# Altium PCB 2m_DBoard_TX.PcbDoc (part 1 of 2) (continued)
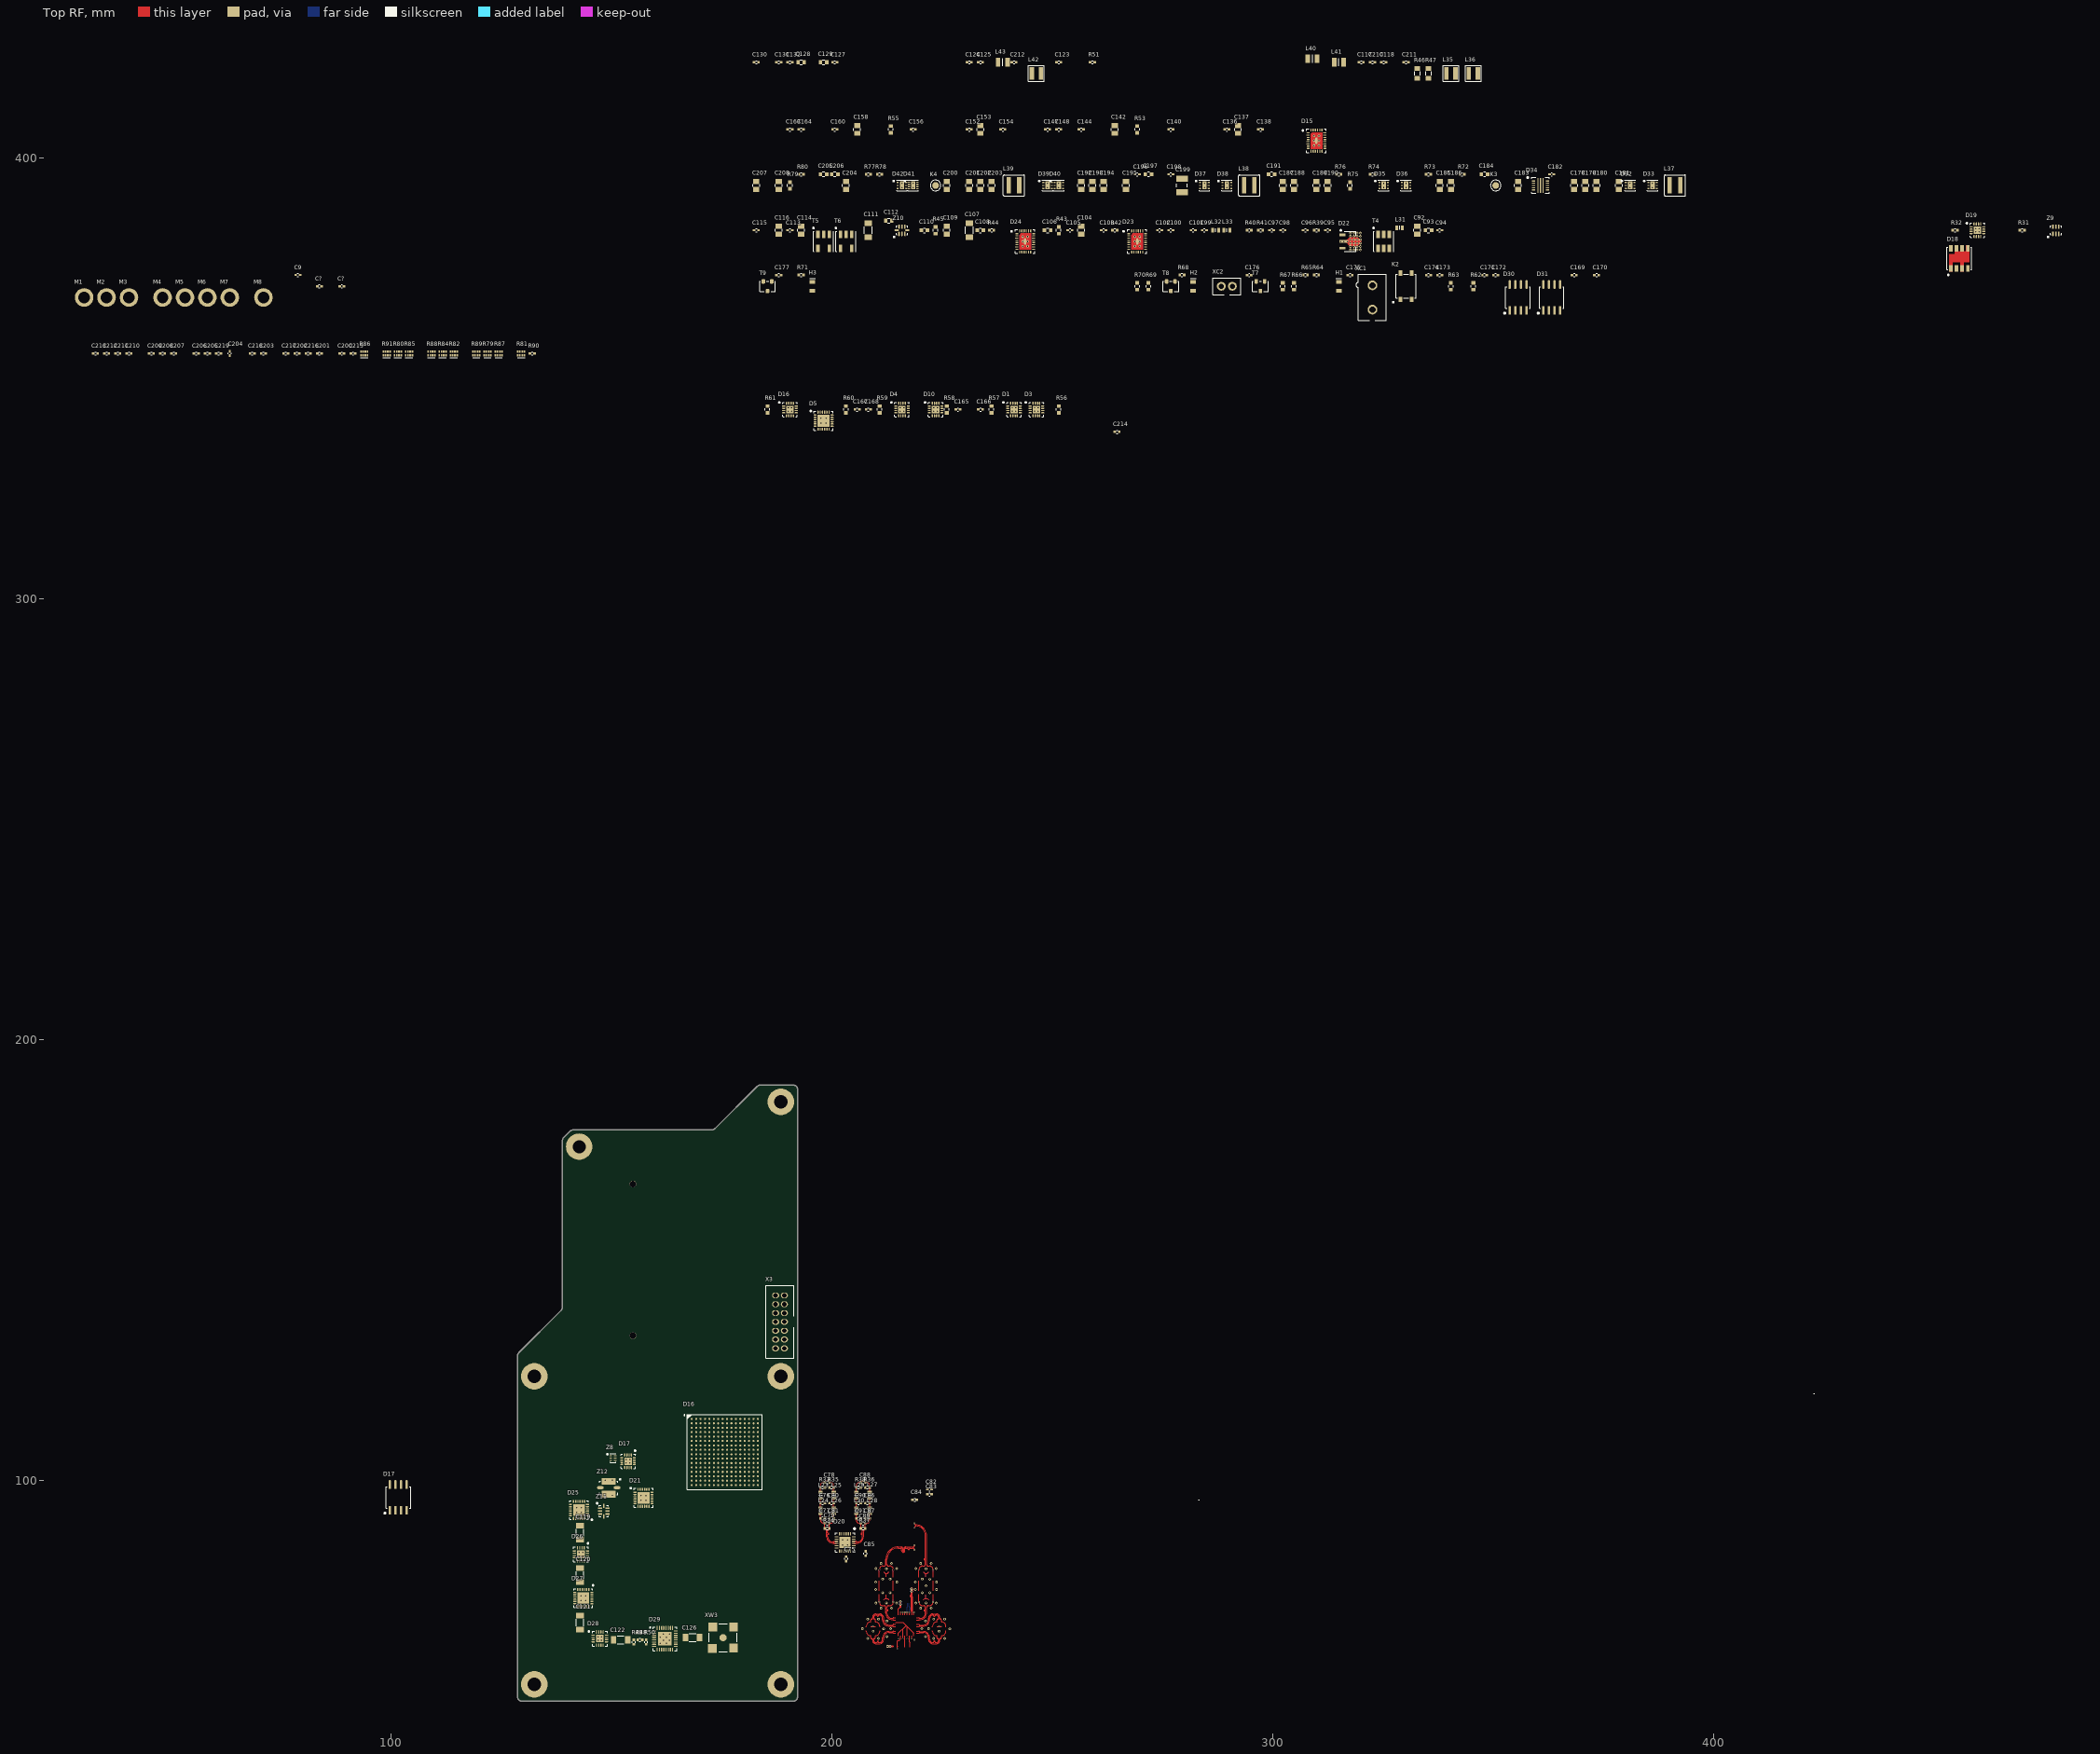
[diagram p0: Top RF view]
## Design rules (kind name [scope] priority, off if disabled: settings) (continued)
PolygonConnect PolygonConnect_2 [All vs IsNamedPolygon('NONET_L01_P018', '_6V_FLT_L03_P008', '_12V_TPS_L01_P004', '6V_L01_P032')] p2: connectstyle=Direct reliefconductorwidth=0.254 reliefentries=4 polygonreliefangle="90 Angle" airgapwidth=0.254
PolygonConnect PolygonConnect_3 [All vs IsNamedPolygon('_TPS_VOUT_L01_P002')] p3: connectstyle=Relief reliefconductorwidth=0.254 reliefentries=4 polygonreliefangle="90 Angle" airgapwidth=0.254
PolygonConnect Mech_Via [InPadClass('Mechanical') or InPadClass('MicroMechanical')] p4: connectstyle=Direct reliefconductorwidth=0.254 reliefentries=4 polygonreliefangle="90 Angle" airgapwidth=0.254
PolygonConnect Shield [InPolygonClass('Shield')] p5: connectstyle=NoConnect reliefconductorwidth=0.254 reliefentries=4 polygonreliefangle="90 Angle" airgapwidth=0.15
PolygonConnect 0805 [InPadClass('0805')] p6: connectstyle=Relief reliefconductorwidth=0.5 reliefentries=4 polygonreliefangle="90 Angle" airgapwidth=0.15
PolygonConnect Power [InPadClass('Power')] p7: connectstyle=Direct reliefconductorwidth=1 reliefentries=4 polygonreliefangle="90 Angle" airgapwidth=0.15
PolygonConnect VIA [IsVia] p8: connectstyle=Direct reliefconductorwidth=0.254 reliefentries=4 polygonreliefangle="90 Angle" airgapwidth=0.15
PolygonConnect "Direct Connection" [InPadClass('Direct Connect')] p9: connectstyle=Direct reliefconductorwidth=0.254 reliefentries=4 polygonreliefangle="90 Angle" airgapwidth=0.15
PolygonConnect [All] p10: connectstyle=Relief reliefconductorwidth=0.3 reliefentries=4 polygonreliefangle="90 Angle" airgapwidth=0.15
RoutingVias [All] p1: holewidth=0.2 width=0.4 viastyle="Through Hole" minholewidth=0.2 minwidth=0.4 maxholewidth=0.5 maxwidth=1
SilkToSilkClearance [All] p1: silktosilkclearance=0.01
SilkToSolderMaskClearance [IsPad] p1: minsilkscreentomaskgap=0.01 clearancetoexposedcopper=TRUE
SolderMaskExpansion SolderMaskExpansion_via [IsVia] p1: expansion=0.102 istentingtop=TRUE
SolderMaskExpansion [InPadClass('All Pads')] p2: expansion=0.01 istentingtop=FALSE
UnRoutedNet [All] p1: checkbadconnections=TRUE
Width "RF_50Ohm width" [InNetClass('RF_50Ohm')] p1: maxlimit=0.17 minlimit=0.12 preferedwidth=0.17 toplayer_minwidth=0.17 midlayer4_maxwidth=0.12 midlayer4_prefwidth=0.12 bottomlayer_minwidth=0.17 impedanceprofiledriven=TRUE impedanceprofileid={25015F0A-BAB1-46ED-8733-2AC948B5376F} minimp=50.000000 maximp=50.000000 favimp=50.000000
Width PowerLine [InNetClass('All Nets')] p2: maxlimit=3.5 minlimit=0.1 preferedwidth=0.254 minimp=50.000000 maximp=50.000000 favimp=50.000000
Width [All] p3: maxlimit=0.5 minlimit=0.1 preferedwidth=0.15 minimp=50.000000 maximp=50.000000 favimp=50.000000
21 further rules are at their usual default settings.

## Classes and differential pairs
component class DBoard_conn: C9 C? D17 M1 M2 M3 M4 M5 M6 M7 M8 X1
component class CPLD: C200 C201 C202 C203 C204 C205 C206 C207 C208 C209 C210 C211 C212 C213 C214 C215 C216 C217 C218 C219 D16 R79 R80 R81 R82 R84 R85 R86 R87 R88 R89 R90 R91 X3
differential pair TX_IOUTB: +TX_IOUTB_P -TX_IOUTB_N
differential pair _IOUTA_QMOD: +_IOUTA_QMOD_P -_IOUTA_QMOD_N
differential pair _IOUTB_QMOD: +_IOUTB_QMOD_P -_IOUTB_QMOD_N
differential pair LO2_TX: +LO2_TX_P -LO2_TX_N
differential pair REF_FREQ_TX: +REF_FREQ_TX_P -REF_FREQ_TX_N
differential pair _LO1_TX: +_LO1_TX_P -_LO1_TX_N

## Components (designator, comment, footprint, x,y, rotation, side; value= is the part's Value field where it differs from the comment)
C9 "CAP" C0402 78.95,373.4 r0 top value=10nF
C75 "CAP" C0402 203.25,82.275 r270 top value=100pF
C76 "CAP" C0402 197.925,94.95 r0 top value=22pF
C77 "CAP" C0402 197.925,91.45 r0 top value=3pF
C78 "CAP" C0402 198.925,99.6 r0 top value=3.6pF
C79 "CAP" C0402 198.925,90.35 r0 top value=6pF
C80 "CAP" C0402 199.925,94.95 r0 top value=22pF
C81 "CAP" C0402 199.925,91.45 r0 top value=3pF
C82 "CAP" C0402 222.15,98.025 r180 top value=0.1uF
C83 "CAP" C0402 222.15,96.91 r180 top value=100pF
C84 "CAP" C0402 218.775,95.65 r0 top value=0.1uF
C85 "CAP" C0402 207.65,83.475 r90 top value=100pF
C86 "CAP" C0402 208.075,94.95 r180 top value=22pF
C87 "CAP" C0402 208.075,91.431 r180 top value=3pF
C88 "CAP" C0402 207.075,99.6 r180 top value=3.6pF
C89 "CAP" C0402 207.075,90.316 r180 top value=6pF
C90 "CAP" C0402 206.075,94.95 r180 top value=22pF
C91 "CAP" C0402 206.075,91.431 r180 top value=3pF
C92 "CAP" C0805 332.74,383.54 r90 top value=1uF
C93 "CAP" C0603 335.28,383.54 r0 top value=1200pF
C94 "CAP" C0402 337.82,383.54 r0 top value=68pF
C95 "CAP" C0402 312.42,383.54 r0 top value=1000pF
C96 "CAP" C0402 307.34,383.54 r0 top value=1000pF
C97 "CAP" C0402 299.72,383.54 r0 top value=10nF
C98 "CAP" C0402 302.26,383.54 r0 top value=10pF
C99 "CAP" C0402 284.48,383.54 r0 top value=0.3pF
C100 "CAP" C0402 276.86,383.54 r0 top value=10nF
C101 "CAP" C0402 281.94,383.54 r0 top value=1000pF
C102 "CAP" C0402 274.32,383.54 r0 top value=1000pF
C103 "CAP" C0402 261.62,383.54 r0 top value=100pF
C104 "CAP" C0805 256.54,383.54 r90 top value=1uF
C105 "CAP" C0402 254,383.54 r0 top value=100pF
C106 "CAP" C0603 248.92,383.54 r0 top value=2.2uF
C107 "CAP" C1206 231.14,383.54 r90 top value=27nF
C108 "CAP" C0603 233.68,383.54 r0 top value=2200pF
C109 "CAP" C0805 226.06,383.54 r90 top value=1uF
C110 "CAP" C0603 220.98,383.54 r0 top value=2.2uF
C111 "CAP" C1206 208.28,383.54 r90 top value=27nF
C112 "CAP" C0603 212.9,385.733 r0 top value=2200pF
C113 "CAP" C0402 190.5,383.54 r0 top value=0.1uF
C114 "CAP" C0805 193.04,383.54 r90 top value=1uF
C115 "CAP" C0402 182.88,383.54 r0 top value=0.1uF
C116 "CAP" C0805 187.96,383.54 r90 top value=1uF
C117 "CAP" C0402 320.04,421.64 r0 top value=10nF
C118 "CAP" C0402 325.12,421.64 r0 top value=10nF
C119 "CAP" C1206 142.9,88.2 r90 top value=0.1uF
C120 "CAP" C1206 142.9,78.6 r90 top value=0.1uF
C121 "CAP" C1206 142.9,67.8 r90 top value=0.1uF
C122 "CAP" C1206 152.1,63.9 r180 top value=0.1uF
C123 "CAP" C0402 251.46,421.64 r0 top value=10nF
C124 "CAP" C0402 231.14,421.64 r0 top value=10nF
C125 "CAP" C0402 233.68,421.64 r0 top value=1000pF
C126 "CAP" C1206 168.4,64.4 r180 top value=0.1uF
C127 "CAP" C0402 200.66,421.64 r0 top value=1000pF
C128 "CAP" C0603 193.04,421.64 r0 top value=4.7uF
C129 "CAP" C0603 198.12,421.64 r0 top value=4.7uF
C130 "CAP" C0402 182.88,421.64 r0 top value=10nF
C131 "CAP" C0402 187.96,421.64 r0 top value=1000pF
C132 "CAP" C0402 190.5,421.64 r0 top value=10nF
C136 "CAP" C0402 289.56,406.4 r0 top value=10nF
C137 "CAP" C0805 292.1,406.4 r90 top value=1uF
C138 "CAP" C0402 297.18,406.4 r0 top value=10nF
C140 "CAP" C0402 276.86,406.4 r0 top value=10nF
C142 "CAP" C0805 264.16,406.4 r90 top value=1uF
C144 "CAP" C0402 256.54,406.4 r0 top value=0.1uF
C147 "CAP" C0402 248.92,406.4 r0 top value=0.1uF
C148 "CAP" C0402 251.46,406.4 r0 top value=0.1uF
C152 "CAP" C0402 231.14,406.4 r0 top value=10nF
C153 "CAP" C0805 233.68,406.4 r90 top value=1uF
C154 "CAP" C0402 238.76,406.4 r0 top value=10nF
C156 "CAP" C0402 218.44,406.4 r0 top value=10nF
C158 "CAP" C0805 205.74,406.4 r90 top value=1uF
C160 "CAP" C0402 200.66,406.4 r0 top value=0.1uF
C163 "CAP" C0402 190.5,406.4 r0 top value=0.1uF
C164 "CAP" C0402 193.04,406.4 r0 top value=0.1uF
C165 "CAP" C0402 228.6,342.9 r0 top value=10nF
C166 "CAP" C0402 233.68,342.9 r0 top value=10nF
C167 "CAP" C0402 205.74,342.9 r0 top value=10nF
C168 "CAP" C0402 208.28,342.9 r0 top value=10nF
C169 "CAP" C0402 368.3,373.38 r0 top value=10nF
C170 "CAP" C0402 373.38,373.38 r0 top value=10nF
C171 "CAP" C0402 347.98,373.38 r0 top value=10nF
C172 "CAP" C0402 350.52,373.38 r0 top value=10nF
C173 "CAP" C0402 337.82,373.38 r0 top value=10nF
C174 "CAP" C0402 335.28,373.38 r0 top value=10nF
C175 "CAP" C0402 317.5,373.38 r0 top value=10nF
C176 "CAP" C0402 294.64,373.38 r0 top value=10nF
C177 "CAP" C0402 187.96,373.38 r0 top value=10nF
C178 "CAP" C0805 368.3,393.7 r90 top value=1uF
C179 "CAP" C0805 370.84,393.7 r90 top value=1uF
C180 "CAP" C0805 373.38,393.7 r90 top value=1uF
C181 "CAP" C0805 378.46,393.7 r90 top value=1uF
C182 "CAP" C0402 363.22,396.24 r0 top value=0.1uF
C183 "CAP uF" C0805 355.6,393.7 r90 top value=22uF
C184 "CAP" C0603 347.98,396.24 r0 top value=4.7uF
C185 "CAP uF" C0805 337.82,393.7 r90 top value=10uF
C186 "CAP uF" C0805 340.36,393.7 r90 top value=22uF
C187 "CAP" C0805 302.26,393.7 r90 top value=1uF
C188 "CAP" C0805 304.8,393.7 r90 top value=1uF
C189 "CAP" C0805 309.88,393.7 r90 top value=1uF
C190 "CAP" C0805 312.42,393.7 r90 top value=1uF
C191 "CAP" C0603 299.72,396.24 r0 top value=2.2nF
C192 "CAP" C0805 256.54,393.7 r90 top value=1uF
C193 "CAP" C0805 259.08,393.7 r90 top value=1uF
C194 "CAP" C0805 261.62,393.7 r90 top value=1uF
C195 "CAP" C0805 266.7,393.7 r90 top value=1uF
C196 "CAP" C0402 269.24,396.24 r0 top value=0.1uF
C197 "CAP" C0603 271.78,396.24 r0 top value=220pF
C198 "CAP" C0402 276.86,396.24 r0 top value=0.1uF
C199 "CAP uF" C1210 279.4,393.7 r90 top value=47uF
C200 "CAP" C0402 88.9,355.6 r0 top value=0.1uF
C200 "CAP" C0805 226.06,393.7 r90 top value=1uF
C201 "CAP" C0402 83.82,355.6 r0 top value=0.1uF
C201 "CAP" C0805 231.14,393.7 r90 top value=1uF
C202 "CAP" C0402 78.74,355.6 r0 top value=0.1uF
C202 "CAP" C0805 233.68,393.7 r90 top value=1uF
C203 "CAP" C0402 71.12,355.6 r0 top value=0.1uF
C203 "CAP" C0805 236.22,393.7 r90 top value=1uF
C204 "CAP" C0402 63.5,355.6 r90 top value=0.1uF
C204 "CAP" C0805 203.2,393.7 r90 top value=1uF
C205 "CAP" C0402 58.42,355.6 r0 top value=0.1uF
C205 "CAP" C0603 198.12,396.24 r0 top value=4.7uF
C206 "CAP" C0402 55.88,355.6 r0 top value=0.1uF
C206 "CAP" C0603 200.66,396.24 r0 top value=2.2uF
C207 "CAP" C0402 50.8,355.6 r0 top value=0.1uF
C207 "CAP" C0805 182.88,393.7 r90 top value=1uF
C208 "CAP" C0402 48.26,355.6 r0 top value=0.1uF
C208 "CAP uF" C0805 187.96,393.7 r90 top value=10uF
C209 "CAP" C0402 45.72,355.6 r0 top value=0.1uF
C210 "CAP" C0402 40.64,355.6 r0 top value=0.1uF
C210 "CAP" C0402 322.58,421.64 r0 top value=1.5pF
C211 "CAP" C0402 38.1,355.6 r0 top value=0.1uF
C211 "CAP" C0402 330.2,421.64 r0 top value=1.5pF
C212 "CAP" C0402 35.56,355.6 r0 top value=0.1uF
C212 "CAP" C0402 241.3,421.64 r0 top value=1.5pF
C213 "CAP" C0402 33.02,355.6 r0 top value=0.1uF
C214 "CAP" C0402 264.66,337.82 r0 top value=0.1uF
C215 "CAP" C0402 91.44,355.6 r0 top value=1uF
C216 "CAP" C0402 81.28,355.6 r0 top value=0.1uF
C217 "CAP" C0402 76.2,355.6 r0 top value=0.1uF
C218 "CAP" C0402 68.58,355.6 r0 top value=0.1uF
C219 "CAP" C0402 60.96,355.6 r0 top value=0.1uF
C? "CAP" C0402 83.82,370.84 r0 top value=10nF
C? "CAP" C0402 88.9,370.84 r0 top value=10nF
D1 "PE42553" QFN-16 241.3,342.9 r0 top
D3 "PE42553" QFN-16 246.38,342.9 r0 top
D4 "PE42553" QFN-16 215.9,342.9 r0 top
D5 "PE42562" QFN-24 198.12,340.36 r0 top
D10 "PE42553" QFN-16 223.52,342.9 r0 top
D15 "LTC6946" QFN-28 309.88,403.86 r0 top
D16 "XC2C256-7FTG256C" FTG256 175.74,106.5 r0 top
D16 "PE42553" QFN-16 190.5,342.9 r0 top
D17 "24LC024" SOIC_SN8 101.7,96.2 r90 top
D17 "PE42553" QFN-16 153.8,104.4 r270 top
D18 "SIM-43MH+" SIM-43MH+ 455.63,377.169 r0 top
D19 "PE42553" QFN-16 459.74,383.54 r0 top
D20 "ADL5375" LFCSP-24 203,86 r270 top
D21 "PE42562" QFN-24 157.3,96.1 r0 top
D22 "ADL5610" ADL5610 317.5,381 r0 top
D23 "LTC6946" QFN-28 269.24,381 r0 top
D24 "LTC6946" QFN-28 243.84,381 r0 top
D25 "PE42562" QFN-24 142.675,93.35 r180 top
D26 "HMC311LP3" "QFN-16 v2" 143.1,83.3 r270 top
D27 "PE43711" QFN-24 143.65,73.375 r270 top
D28 "HMC311LP3" "QFN-16 v2" 147.4,64.2 r0 top
D29 "HMC637BPM5E" LFCSP-32 162.15,64.15 r0 top
D30 "24LC024" SOIC_SN8 355.6,368.3 r90 top
D31 "24LC024" SOIC_SN8 363.22,368.3 r90 top
D32 "LP5912" WSON-6 381,393.7 r0 top
D33 "LP5912" WSON-6 386.08,393.7 r0 top
D34 "TPS611781" TPS611781x 360.68,393.7 r0 top
D35 "LP5912" WSON-6 325.12,393.7 r0 top
D36 "LP5912" WSON-6 330.2,393.7 r0 top
D37 "LP5912" WSON-6 284.48,393.7 r0 top
D38 "LP5912" WSON-6 289.56,393.7 r0 top
D39 "LP5912" WSON-6 248.92,393.7 r0 top
D40 "LP5912" WSON-6 251.46,393.7 r0 top
D41 "LM27761" WSON-8 218.44,393.7 r0 top
D42 "LP5912" WSON-6 215.9,393.7 r0 top
H1 "LO_LOCK" LED 314.96,370.84 r0 top
H2 "RX" LED 281.94,370.84 r0 top
H3 "TX" LED 195.58,370.84 r0 top
K2 "G3VM-61GR1" G3VM-61 330.2,370.84 r0 top
K3 "12V" "Control Point" 350.52,393.7 r0 top
K4 "-3.4V" "Control Point" 223.52,393.7 r0 top
L23 "Inductor RF" L0603_HP 197.425,96.7 r270 top value=33nH
L24 "Inductor RF" L0603_HP 197.425,93.2 r270 top value=33nH
L25 "Inductor RF" L0603_HP 200.425,96.7 r270 top value=33nH
L26 "Inductor RF" L0603_HP 200.425,93.2 r270 top value=33nH
L27 "Inductor RF" L0603_HP 208.575,96.7 r270 top value=33nH
L28 "Inductor RF" L0603_HP 208.575,93.188 r270 top value=33nH
L29 "Inductor RF" L0603_HP 205.575,96.7 r270 top value=33nH
L30 "Inductor RF" L0603_HP 205.575,93.188 r270 top value=33nH
L31 "Inductor RF" L0603_HP 328.715,384.1 r0 top value=43nH
L32 "Inductor RF" L0603_HP 287.02,383.54 r0 top value=68nH
L33 "Inductor RF" L0603_HP 289.56,383.54 r0 top value=68nH
L35 "Inductor" XFL3012 340.36,419.1 r0 top value=6.8uH
L36 "Inductor" XFL3012 345.44,419.1 r0 top value=6.8uH
L37 "Inductor PWR" XAL4030 391.16,393.7 r0 top value=4.7uH
L38 "Inductor PWR" XAL4020 294.64,393.7 r0 top value=2.2uH
L39 "Inductor PWR" XAL4020 241.3,393.7 r0 top value=2.2uH
L40 "Inductor RF" L0805_HP 308.975,422.425 r0 top value=6.2nH
L41 "Inductor RF" L0805_HP 314.96,421.64 r0 top value=6.2nH
L42 "Inductor" XFL3012 246.38,419.1 r0 top value=6.8uH
L43 "Inductor RF" L0805_HP 238.76,421.64 r0 top value=6.2nH
M1 "Via" Mechanical_Via_2.6x4.2 30.48,368.3 r0 top
M2 "Via" Mechanical_Via_2.6x4.2 35.56,368.3 r0 top
M3 "Via" Mechanical_Via_2.6x4.2 40.64,368.3 r0 top
M4 "Via" Mechanical_Via_2.6x4.2 48.26,368.3 r0 top
M5 "Via" Mechanical_Via_2.6x4.2 53.34,368.3 r0 top
M6 "Via" Mechanical_Via_2.6x4.2 58.42,368.3 r0 top
M7 "Via" Mechanical_Via_2.6x4.2 63.5,368.3 r0 top
M8 "Via" Mechanical_Via_2.6x4.2 71.12,368.3 r0 top
R31 "RES" R0402 469.9,383.54 r0 top value=49.9
R32 "RES" R0402 454.66,383.54 r0 top value=49.9
R33 "RES" R0402 197.925,98.5 r0 top value=49.9
R34 "RES" R0402 198.925,89.2 r0 top value=140
R35 "RES" R0402 199.925,98.5 r0 top value=49.9
R36 "RES" R0402 208.075,98.5 r180 top value=49.9
R37 "RES" R0402 207.075,89.2 r180 top value=140
R38 "RES" R0402 206.075,98.5 r180 top value=49.9
R39 "RES" R0402 309.88,383.54 r0 top value=11.8
R40 "RES" R0402 294.64,383.54 r0 top value=432
R41 "RES" R0402 297.18,383.54 r0 top value=432
R42 "RES" R0402 264.16,383.54 r0 top value=49.9
R43 "RES" R0603 251.46,383.54 r90 top value=332
R44 "RES" R0402 236.22,383.54 r0 top value=49.9
R45 "RES" R0603 223.52,383.54 r90 top value=332
R46 "RES" R0805 332.74,419.1 r90 top value=18.7
R47 "RES" R0805 335.28,419.1 r90 top value=18.7
R48 "RES" R0402 156.5,63.9 r180 top value=11.8
R49 "RES" R0402 155.1,63.4 r270 top value=432
R50 "RES" R0402 157.9,63.4 r270 top value=432
R51 "RES" R0402 259.08,421.64 r0 top value=1k
R53 "RES" R0603 269.24,406.4 r90 top value=15
R55 "RES" R0603 213.36,406.4 r90 top value=15
R56 "RES" R0603 251.46,342.9 r90 top value=none
R57 "RES" R0603 236.22,342.9 r90 top value=0
R58 "RES" R0603 226.06,342.9 r90 top value=none
R59 "RES" R0603 210.82,342.9 r90 top value=0
R60 "RES" R0603 203.2,342.9 r90 top value=none
R61 "RES" R0603 185.42,342.9 r90 top value=0
R62 "RES" R0603 345.44,370.84 r90 top value=none
R63 "RES" R0603 340.36,370.84 r90 top value=0
R64 "RES" R0402 309.88,373.38 r0 top value=180
R65 "RES" R0402 307.34,373.38 r0 top value=68
R66 "RES" R0603 304.8,370.84 r90 top value=none
R67 "RES" R0603 302.26,370.84 r90 top value=0
R68 "RES" R0402 279.4,373.38 r0 top value=68
R69 "RES" R0603 271.78,370.84 r90 top value=none
R70 "RES" R0603 269.24,370.84 r90 top value=0
R71 "RES" R0402 193.04,373.38 r0 top value=68
R72 "RES" R0402 342.9,396.24 r0 top value=732k
R73 "RES" R0402 335.28,396.24 r0 top value=71.5k
R74 "RES" R0402 322.58,396.24 r0 top value=681k
R75 "RES" R0603 317.5,393.7 r90 top value=23.7k
R76 "RES" R0402 314.96,396.24 r0 top value=732k
R77 "RES" R0402 208.28,396.24 r0 top value=1.5k
R78 "RES" R0402 210.82,396.24 r0 top value=887k
R79 "RES 4x0402" EXN8V 121.92,355.6 r0 top value=33
R79 "RES" R0603 190.5,393.7 r90 top value=none
R80 "RES 4x0402" EXN8V 101.6,355.6 r0 top value=33
R80 "RES" R0402 193.04,396.24 r0 top value=499k
R81 "RES 4x0402" EXN8V 129.54,355.6 r0 top value=33
R82 "RES 4x0402" EXN8V 114.3,355.6 r0 top value=33
R84 "RES 4x0402" EXN8V 111.76,355.6 r0 top value=33
R85 "RES 4x0402" EXN8V 104.14,355.6 r0 top value=33
R86 "RES 4x0402" EXN8V 93.98,355.6 r0 top value=33
R87 "RES 4x0402" EXN8V 124.46,355.6 r0 top value=33
R88 "RES 4x0402" EXN8V 109.22,355.6 r0 top value=33
R89 "RES 4x0402" EXN8V 119.38,355.6 r0 top value=33
R90 "RES" R0402 132.08,355.6 r0 top value=33
R91 "RES 4x0402" EXN8V 99.06,355.6 r0 top value=33
T4 "TCM2-452X-2+" DB1627 325.12,381 r0 top
T5 "TC2-1TX+" AT1521 198.12,381 r0 top
T6 "TC2-1TX+" AT1521 203.2,381 r0 top
T7 "2N7002" SOT-23 297.18,370.84 r0 top
T8 "2N7002" SOT-23 276.86,370.84 r0 top
T9 "2N7002" SOT-23 185.42,370.84 r0 top
X1 "DBoard" DBOARD-HALF-TX-MB 154.902,150.33 r180 bottom locked
X3 "JTAG" "JTAG Mail 2mm" 188.24,136 r90 top
XC1 "Mini-Fit Jr. Vertical Header" "Mini-Fit Jr. Vertical Header" 322.58,368.3 r0 top
XC2 "Nano-Fit Vertical Header" "Nano-Fit Vertical Header" 289.56,370.84 r0 top
XW3 "TX" "MOLEX SD-73251-135 (Gold)" 175.34,64.4 r180 top
Z8 "LDPW-162-242+" JC0603C 150.385,105.11 r270 top
Z9 "LDPG-212-322+" GE0805C-10 477.52,383.54 r0 top
Z10 "LFCG-92+" GE0805C-2 215.9,383.54 r0 top
Z11 "LFCG-92+" GE0805C-2 148.3,93.1 r270 top
Z12 "BFCV-4085+" JV1210C 149.4,98.4 r180 top

## Footprints (in the part's own frame and the unit in brackets; to place one, negate y for a bottom-side part, rotate by r counter-clockwise, add the part's x,y. Pads: shape width x height; smd on the part's side, far side on the other; paste and mask are expansions set on the pad)
ADL5610 [mm] "SOT89, 3-Leads, Body 4,49x2,44mm, Pitch 1,50mm, Lead Span 4,0mm, IPC Medium Density"
  rect 1.4x0.6 smd: 1(-1.75,1.5) 3(-1.75,-1.5)
  rect 1.7x0.6 smd: 2(-1.6,0)
  Top RF region: -0.75,0.3 -0.1,0.95 1.8,0.95 2.45,0.3 2.45,-0.3 1.8,-0.95 -0.1,-0.95 -0.75,-0.3
  silkscreen extent -2.23,-2.3 1.33,2.65, body extent -2.22,-2.25 2.03,2.25, height 1.54
AT1521 [mm] "RF Transformer"
  rect 0.76x1.65 smd: 1(-1.27,1.59) 2(0,1.59) 3(1.27,1.59) 4(1.27,-1.59) 6(-1.27,-1.59)
  silkscreen extent -2.41,-2.29 2.29,3.17, body extent -1.9,-1.92 1.9,1.92, height 2.79
C0402 [mm] "Chip Capacitor, Body 1.0x0.5mm, IPC High Density"
  rect 0.6x0.5 smd: 1(-0.5,0) 2(0.5,0)
  silkscreen extent -0.15,-0.36 0.15,0.36, body extent -0.5,-0.25 0.5,0.25, height 0.49
C0603 [mm] "Chip Capacitor, Body 1.6x0.8mm, IPC High Density"
  rect 0.8x0.9 smd: 1(-0.7,0) 2(0.7,0)
  silkscreen extent -0.23,-0.53 0.23,0.53, body extent -0.8,-0.4 0.8,0.4, height 0.79
C0805 [mm] "Chip Capacitor, Body 2.0x1.3mm, IPC High Density"
  rect 1.1x1.4 smd: 1(-0.889,0) 2(0.889,0)
  silkscreen extent -0.28,-0.79 0.28,0.79, body extent -1,-0.62 1,0.62, height 0.59
C1206 [mm]
  rect 1.25x1.7 smd: 1(-1.6,0) 2(1.6,0)
  silkscreen extent -0.76,-0.89 0.76,0.89, body extent -1.6,-0.8 1.6,0.8, height 0.77
C1210 [mm] "Chip Capacitor, Body 3.2x2.5mm, IPC High Density"
  rect 1.4x2.6 smd: 1(-1.524,0) 2(1.524,0)
  silkscreen extent -0.4,-1.2 0.4,1.2, body extent -1.6,-1.25 1.6,1.25, height 0.77
"Control Point" [mm]
  round 1.5 smd: 1(0,0)
  silkscreen extent -1.2,-1.2 1.2,1.2
DB1627 [mm] "RF Transformer"
  rect 0.76x1.65 smd: 1(-1.27,1.59) 2(0,1.59) 3(1.27,1.59) 4(1.27,-1.59) 5(0,-1.59) 6(-1.27,-1.59)
  silkscreen extent -2.41,-2.29 2.29,3.17, body extent -1.9,-1.92 1.9,1.92, height 2.79
DBOARD-HALF-TX-MB [mil]
  round 236.22 hole 118.11: 0(-1320,-3800) 0(-1320,-1050) 0(-1320,1400) 0(480,1000) 0(880,-3800) 0(880,-1050)
  round 59.06 hole 59.06 unplated: 0(0,-686.85) 0(0,667.48)
  oval 92x24 smd: 1(78.74,600.55) 2(-78.74,600.55) 3(78.74,561.18) 4(-78.74,561.18) 5(78.74,521.81) 6(-78.74,521.81) 7(78.74,482.44) 8(-78.74,482.44) 9(78.74,443.07) 10(-78.74,443.07) 11(78.74,403.7) 12(-78.74,403.7) 13(78.74,364.33) 14(-78.74,364.33) 15(78.74,324.96) 16(-78.74,324.96) 17(78.74,285.59) 18(-78.74,285.59) 19(78.74,246.22) 20(-78.74,246.22) 21(78.74,206.85) 22(-78.74,206.85) 23(78.74,167.48) 24(-78.74,167.48) 25(78.74,128.11) 26(-78.74,128.11) 27(78.74,88.74) 28(-78.74,88.74) 29(78.74,49.37) 30(-78.74,49.37) 31(78.74,10) 32(-78.74,10) 33(78.74,-29.37) 34(-78.74,-29.37) 35(78.74,-68.74) 36(-78.74,-68.74) 37(78.74,-108.11) 38(-78.74,-108.11) 39(78.74,-147.48) 40(-78.74,-147.48) 41(78.74,-186.85) 42(-78.74,-186.85) 43(78.74,-226.22) 44(-78.74,-226.22) 45(78.74,-265.59) 46(-78.74,-265.59) 47(78.74,-304.96) 48(-78.74,-304.96) 49(78.74,-344.33) 50(-78.74,-344.33) 51(78.74,-383.7) 52(-78.74,-383.7) 53(78.74,-423.07) 54(-78.74,-423.07) 55(78.74,-462.44) 56(-78.74,-462.44) 57(78.74,-501.81) 58(-78.74,-501.81) 59(78.74,-541.18) 60(-78.74,-541.18) 61(78.74,-580.55) 62(-78.74,-580.55) 63(78.74,-619.92) 64(-78.74,-619.92)
  silkscreen extent -126,-726 126,707, body extent -2621,-1204 4156,3521, height 534
EXN8V [mm] "Resistor Array 4x0402 0804"
  rect 0.375x0.55 smd: 1(-0.75,-0.45) 2(-0.25,-0.45) 3(0.25,-0.45) 4(0.75,-0.45) 5(0.75,0.45) 6(0.25,0.45) 7(-0.25,0.45) 8(-0.75,0.45)
  silkscreen extent -0.84,-0.91 0.84,-0.91, body extent -1,-0.5 1,0.5, height 0.4
FTG256 [mm] "BGA, 256-Leads, Body 17x17mm, Pitch 1mm"
  round 0.45 smd: A1(-7.5,7.5) A2(-6.5,7.5) A3(-5.5,7.5) A4(-4.5,7.5) A5(-3.5,7.5) A6(-2.5,7.5) A7(-1.5,7.5) A8(-0.5,7.5) A9(0.5,7.5) A10(1.5,7.5) A11(2.5,7.5) A12(3.5,7.5) A13(4.5,7.5) A14(5.5,7.5) A15(6.5,7.5) A16(7.5,7.5) B1(-7.5,6.5) B2(-6.5,6.5) B3(-5.5,6.5) B4(-4.5,6.5) B5(-3.5,6.5) B6(-2.5,6.5) B7(-1.5,6.5) B8(-0.5,6.5) B9(0.5,6.5) B10(1.5,6.5) B11(2.5,6.5) B12(3.5,6.5) B13(4.5,6.5) B14(5.5,6.5) B15(6.5,6.5) B16(7.5,6.5) C1(-7.5,5.5) C2(-6.5,5.5) C3(-5.5,5.5) C4(-4.5,5.5) C5(-3.5,5.5) C6(-2.5,5.5) C7(-1.5,5.5) C8(-0.5,5.5) C9(0.5,5.5) C10(1.5,5.5) C11(2.5,5.5) C12(3.5,5.5) C13(4.5,5.5) C14(5.5,5.5) C15(6.5,5.5) C16(7.5,5.5) D1(-7.5,4.5) D2(-6.5,4.5) D3(-5.5,4.5) D4(-4.5,4.5) D5(-3.5,4.5) D6(-2.5,4.5) D7(-1.5,4.5) D8(-0.5,4.5) D9(0.5,4.5) D10(1.5,4.5) D11(2.5,4.5) D12(3.5,4.5) D13(4.5,4.5) D14(5.5,4.5) D15(6.5,4.5) D16(7.5,4.5) E1(-7.5,3.5) E2(-6.5,3.5) E3(-5.5,3.5) E4(-4.5,3.5) E5(-3.5,3.5) E6(-2.5,3.5) E7(-1.5,3.5) E8(-0.5,3.5) E9(0.5,3.5) E10(1.5,3.5) E11(2.5,3.5) E12(3.5,3.5) E13(4.5,3.5) E14(5.5,3.5) E15(6.5,3.5) E16(7.5,3.5) F1(-7.5,2.5) F2(-6.5,2.5) F3(-5.5,2.5) F4(-4.5,2.5) F5(-3.5,2.5) F6(-2.5,2.5) F7(-1.5,2.5) F8(-0.5,2.5) F9(0.5,2.5) F10(1.5,2.5) F11(2.5,2.5) F12(3.5,2.5) F13(4.5,2.5) F14(5.5,2.5) F15(6.5,2.5) F16(7.5,2.5) G1(-7.5,1.5) G2(-6.5,1.5) G3(-5.5,1.5) G4(-4.5,1.5) G5(-3.5,1.5) G6(-2.5,1.5) G7(-1.5,1.5) G8(-0.5,1.5) G9(0.5,1.5) G10(1.5,1.5) G11(2.5,1.5) G12(3.5,1.5) G13(4.5,1.5) G14(5.5,1.5) G15(6.5,1.5) G16(7.5,1.5) H1(-7.5,0.5) H2(-6.5,0.5) H3(-5.5,0.5) H4(-4.5,0.5) H5(-3.5,0.5) H6(-2.5,0.5) H7(-1.5,0.5) H8(-0.5,0.5) H9(0.5,0.5) H10(1.5,0.5) H11(2.5,0.5) H12(3.5,0.5) H13(4.5,0.5) H14(5.5,0.5) H15(6.5,0.5) H16(7.5,0.5) J1(-7.5,-0.5) J2(-6.5,-0.5) J3(-5.5,-0.5) J4(-4.5,-0.5) J5(-3.5,-0.5) J6(-2.5,-0.5) J7(-1.5,-0.5) J8(-0.5,-0.5) J9(0.5,-0.5) J10(1.5,-0.5) J11(2.5,-0.5) J12(3.5,-0.5) J13(4.5,-0.5) J14(5.5,-0.5) J15(6.5,-0.5) J16(7.5,-0.5) K1(-7.5,-1.5) K2(-6.5,-1.5) K3(-5.5,-1.5) K4(-4.5,-1.5) K5(-3.5,-1.5) K6(-2.5,-1.5) K7(-1.5,-1.5) K8(-0.5,-1.5) K9(0.5,-1.5) K10(1.5,-1.5) K11(2.5,-1.5) K12(3.5,-1.5) K13(4.5,-1.5) K14(5.5,-1.5) K15(6.5,-1.5) K16(7.5,-1.5) L1(-7.5,-2.5) L2(-6.5,-2.5) L3(-5.5,-2.5) L4(-4.5,-2.5) L5(-3.5,-2.5) L6(-2.5,-2.5) L7(-1.5,-2.5) L8(-0.5,-2.5) L9(0.5,-2.5) L10(1.5,-2.5) L11(2.5,-2.5) L12(3.5,-2.5) L13(4.5,-2.5) L14(5.5,-2.5) L15(6.5,-2.5) L16(7.5,-2.5) M1(-7.5,-3.5) M2(-6.5,-3.5) M3(-5.5,-3.5) M4(-4.5,-3.5) M5(-3.5,-3.5) M6(-2.5,-3.5) M7(-1.5,-3.5) M8(-0.5,-3.5) M9(0.5,-3.5) M10(1.5,-3.5) M11(2.5,-3.5) M12(3.5,-3.5) M13(4.5,-3.5) M14(5.5,-3.5) M15(6.5,-3.5) M16(7.5,-3.5) N1(-7.5,-4.5) N2(-6.5,-4.5) N3(-5.5,-4.5) N4(-4.5,-4.5) N5(-3.5,-4.5) N6(-2.5,-4.5) N7(-1.5,-4.5) N8(-0.5,-4.5) N9(0.5,-4.5) N10(1.5,-4.5) N11(2.5,-4.5) N12(3.5,-4.5) N13(4.5,-4.5) N14(5.5,-4.5) N15(6.5,-4.5) N16(7.5,-4.5) P1(-7.5,-5.5) P2(-6.5,-5.5) P3(-5.5,-5.5) P4(-4.5,-5.5) P5(-3.5,-5.5) P6(-2.5,-5.5) P7(-1.5,-5.5) P8(-0.5,-5.5) P9(0.5,-5.5) P10(1.5,-5.5) P11(2.5,-5.5) P12(3.5,-5.5) P13(4.5,-5.5) P14(5.5,-5.5) P15(6.5,-5.5) P16(7.5,-5.5) R1(-7.5,-6.5) R2(-6.5,-6.5) R3(-5.5,-6.5) R4(-4.5,-6.5) R5(-3.5,-6.5) R6(-2.5,-6.5) R7(-1.5,-6.5) R8(-0.5,-6.5) R9(0.5,-6.5) R10(1.5,-6.5) R11(2.5,-6.5) R12(3.5,-6.5) R13(4.5,-6.5) R14(5.5,-6.5) R15(6.5,-6.5) R16(7.5,-6.5) T1(-7.5,-7.5) T2(-6.5,-7.5) T3(-5.5,-7.5) T4(-4.5,-7.5) T5(-3.5,-7.5) T6(-2.5,-7.5) T7(-1.5,-7.5) T8(-0.5,-7.5) T9(0.5,-7.5) T10(1.5,-7.5) T11(2.5,-7.5) T12(3.5,-7.5) T13(4.5,-7.5) T14(5.5,-7.5) T15(6.5,-7.5) T16(7.5,-7.5)
  silkscreen extent -9.27,-8.5 8.5,8.5, body extent -8.5,-8.5 8.5,8.5, height 1.7
G3VM-61 [mm] "MOS FET Relays"
  rect 0.8x1.2 smd: 1(-1.27,-3) 2(1.27,-3) 3(1.27,3) 4(-1.27,3)
  silkscreen extent -3.03,-3.73 2.3,2.7, body extent -1.95,-3.5 1.95,3.5, height 2.05
GE0805C-2 [mm] "Low Pass Filter"
  oval 0.36x0.99 smd: 0(0,-0.825) 0(0,0.825) GND(-0.66,-0.825) GND(-0.66,0.825) GND(0.66,-0.825) GND(0.66,0.825)
  oval 0.99x0.36 smd: IN(-1.205,0) OUT(1.205,0)
  silkscreen extent -1.9,-1.65 1.27,1.04, body extent -1,-0.62 1,0.62, height 0.8
GE0805C-10 [mm] "Diplexer"
  rrect50% 0.36x0.99 smd: 1(-0.66,-0.825) 2(0,-0.825) 3(0.66,-0.825) 4(0.66,0.825) 5(0,0.825) 6(-0.66,0.825)
  silkscreen extent -1.9,-1.65 1.27,1.04, body extent -1,-0.62 1,0.62, height 0.8
JC0603C [mm] "Diplexer"
  rrect50% 0.25x0.56 smd: 1(-0.51,-0.485) 2(0,-0.485) 3(0.51,-0.485) 4(0.51,0.485) 5(0,0.485) 6(-0.51,0.485)
  silkscreen extent -1.02,-1.4 1.02,0.64, body extent -0.8,-0.4 0.8,0.41, height 0.62
"JTAG Mail 2mm" [mm] "2.00mm Pitch, Milli-Grid PCB Header, Dual Row, Vertical, Through Hole, Shrouded, 14  Circuits"
  oval 1.3x1.6 hole 1: 1(-6,-1) 2(-6,1) 3(-4,-1) 4(-4,1) 5(-2,-1) 6(-2,1) 7(0,-1) 8(0,1) 9(2,-1) 10(2,1) 11(4,-1) 12(4,1) 13(6,-1) 14(6,1)
  silkscreen extent -8.25,-3.18 8.25,3.18, body extent -8.32,-3.15 8.33,3.15, height 6.45
JV1210C [mm] "Bandpass Filter"
  rect 3.25x1.5 smd: GND(0,1.475) GND(0,-1.475)
  oval 1.5x0.7 smd: IN(-1.9,0) OUT(1.9,0)
  silkscreen extent -2.73,-2.03 2.03,1.54, body extent -1.6,-1.25 1.6,1.25, height 1.3
L0603_HP [mm]
  rect 0.64x1.02 smd: 1(-0.65,0) 2(0.65,0)
  silkscreen extent 0,-0.41 0,0.41, body extent -0.88,-0.54 0.87,0.55, height 0.93
L0805_HP [mm]
  rect 1.02x1.98 smd: 1(-1.07,0) 2(1.07,0)
  silkscreen extent 0,-0.89 0,0.89, body extent -1.14,-0.86 1.14,0.86, height 1.51
LED [mm] "2012"
  rect 1.3x0.8 smd: 1(0,1) 2(0,-1)
  silkscreen extent -0.64,1.78 0.64,1.78, body extent -0.62,-1 0.62,1, height 0.4
LFCSP-24 [mm] "QFN, 24-Leads, Body 4,00x4,00mm, Pitch 0,50mm, Thermal Pad 2,50x2,50mm, IPC Medium Density"
  oval 0.8x0.25 smd: 1(-1.95,1.25) 2(-1.95,0.75) 3(-1.95,0.25) 4(-1.95,-0.25) 5(-1.95,-0.75) 6(-1.95,-1.25) 13(1.95,-1.25) 14(1.95,-0.75) 15(1.95,-0.25) 16(1.95,0.25) 17(1.95,0.75) 18(1.95,1.25)
  oval 0.25x0.8 smd: 7(-1.25,-1.95) 8(-0.75,-1.95) 9(-0.25,-1.95) 10(0.25,-1.95) 11(0.75,-1.95) 12(1.25,-1.95) 19(1.25,1.95) 20(0.75,1.95) 21(0.25,1.95) 22(-0.25,1.95) 23(-0.75,1.95) 24(-1.25,1.95)
  rect 2.5x2.5 all layers, no hole: 25(0,0)
  silkscreen extent -3.3,-2.2 2.2,2.3, body extent -1.99,-2.01 2.01,1.99, height 0.83
LFCSP-32 [mm] "LFCSP, 32-Leads, Body 5,00x5,00mm, Pitch 0,50mm"
  rect 3.1x3.1 all layers, no hole: 0(0,0)
  oval 0.9x0.25 smd: 1(-2.45,1.75) 2(-2.45,1.25) 3(-2.45,0.75) 4(-2.45,0.25) 5(-2.45,-0.25) 6(-2.45,-0.75) 7(-2.45,-1.25) 8(-2.45,-1.75) 17(2.45,-1.75) 18(2.45,-1.25) 19(2.45,-0.75) 20(2.45,-0.25) 21(2.45,0.25) 22(2.45,0.75) 23(2.45,1.25) 24(2.45,1.75)
  oval 0.25x0.9 smd: 9(-1.75,-2.45) 10(-1.25,-2.45) 11(-0.75,-2.45) 12(-0.25,-2.45) 13(0.25,-2.45) 14(0.75,-2.45) 15(1.25,-2.45) 16(1.75,-2.45) 25(1.75,2.45) 26(1.25,2.45) 27(0.75,2.45) 28(0.25,2.45) 29(-0.25,2.45) 30(-0.75,2.45) 31(-1.25,2.45) 32(-1.75,2.45)
  silkscreen extent -3.47,-2.7 2.7,2.7
Mechanical_Via_2.6x4.2 [mm] "Mechanical_Via"
  round 4.2 hole 2.6: 0(0,0)
"Mini-Fit Jr. Vertical Header" [mm] "4.20mm Pitch, Dual Row"
  round 2.2 hole 1.4: 1(0,2.75) 2(0,-2.75)
  silkscreen extent -3.75,-5.15 3.17,5.25, body extent -3.1,-5.95 3.1,5.05, height 12.88
"MOLEX SD-73251-135 (Gold)" [mm]
  rect 2x2 smd: G(-2.375,2.375) G(-2.375,-2.375) G(2.375,-2.375) G(2.475,2.475)
  round 1.6 smd: S(0,0)
  silkscreen extent -3.2,-3.2 3.2,3.2, body extent -3.17,-3.17 3.18,3.18, height 9.52
"Nano-Fit Vertical Header" [mm] "Through Hole, 2.50mm Pitch"
  round 0 hole 1.3 unplated: 0(0,-1.34)
  round 2 hole 1.2: 1(-1.25,0) 2(1.25,0)
  silkscreen extent -3.17,-1.91 3.17,1.91, body extent -2.97,-4.6 2.97,1.74, height 10.53
QFN-16 [mm] "QFN, 16-Leads, Body 3,00x3,00mm, Pitch 0,50mm, Thermal Pad 1,70x1,70mm, IPC Medium Density"
  oval 0.7x0.3 smd: 1(-1.425,0.75) 2(-1.425,0.25) 3(-1.425,-0.25) 4(-1.425,-0.75) 9(1.425,-0.75) 10(1.425,-0.25) 11(1.425,0.25) 12(1.425,0.75)
  oval 0.3x0.7 smd: 5(-0.75,-1.425) 6(-0.25,-1.425) 7(0.25,-1.425) 8(0.75,-1.425) 13(0.75,1.425) 14(0.25,1.425) 15(-0.25,1.425) 16(-0.75,1.425)
  rect 1.7x1.7 all layers, no hole mask+0.102: 17(0,0)
  silkscreen extent -2.53,-1.65 1.65,1.73, body extent -1.5,-1.5 1.5,1.5, height 0.92
"QFN-16 v2" [mm] "QFN, 16-Leads, Body 3,00x3,00mm, Pitch 0,50mm, Thermal Pad 1,73x1,73mm, IPC Medium Density"
  oval 0.75x0.25 smd: 1(-1.5,0.75) 2(-1.5,0.25) 3(-1.5,-0.25) 4(-1.5,-0.75) 9(1.5,-0.75) 10(1.5,-0.25) 11(1.5,0.25) 12(1.5,0.75)
  oval 0.25x0.75 smd: 5(-0.75,-1.5) 6(-0.25,-1.5) 7(0.25,-1.5) 8(0.75,-1.5) 13(0.75,1.5) 14(0.25,1.5) 15(-0.25,1.5) 16(-0.75,1.5)
  rect 1.73x1.73 all layers, no hole mask+0.102: 17(0,0)
  silkscreen extent -2.63,-1.7 1.7,1.73, body extent -1.5,-1.5 1.5,1.5, height 1
QFN-24 [mm] "QFN, 24-Leads, Body 4,00x4,00mm, Pitch 0,50mm, Thermal Pad 2,70x2,70mm, IPC Medium Density"
  oval 0.7x0.3 smd: 1(-1.925,1.25) 2(-1.925,0.75) 3(-1.925,0.25) 4(-1.925,-0.25) 5(-1.925,-0.75) 6(-1.925,-1.25) 13(1.925,-1.25) 14(1.925,-0.75) 15(1.925,-0.25) 16(1.925,0.25) 17(1.925,0.75) 18(1.925,1.25)
  oval 0.3x0.7 smd: 7(-1.25,-1.925) 8(-0.75,-1.925) 9(-0.25,-1.925) 10(0.25,-1.925) 11(0.75,-1.925) 12(1.25,-1.925) 19(1.25,1.925) 20(0.75,1.925) 21(0.25,1.925) 22(-0.25,1.925) 23(-0.75,1.925) 24(-1.25,1.925)
  rect 2.7x2.7 all layers, no hole mask+0.102: 25(0,0)
  silkscreen extent -3.03,-2.15 2.15,2.33, body extent -2,-2.01 2.01,2, height 0.9
QFN-28 [mm] "QFN, 28-Leads, Body 4,00x5,00mm, Pitch 0,50mm, Thermal Pad 2,50x3,50mm, IPC Medium Density"
  oval 0.7x0.25 smd: 1(-1.9,1.75) 2(-1.9,1.25) 3(-1.9,0.75) 4(-1.9,0.25) 5(-1.9,-0.25) 6(-1.9,-0.75) 7(-1.9,-1.25) 8(-1.9,-1.75) 15(1.9,-1.75) 16(1.9,-1.25) 17(1.9,-0.75) 18(1.9,-0.25) 19(1.9,0.25) 20(1.9,0.75) 21(1.9,1.25) 22(1.9,1.75)
  oval 0.25x0.7 smd: 9(-1.25,-2.4) 10(-0.75,-2.4) 11(-0.25,-2.4) 12(0.25,-2.4) 13(0.75,-2.4) 14(1.25,-2.4) 23(1.25,2.4) 24(0.75,2.4) 25(0.25,2.4) 26(-0.25,2.4) 27(-0.75,2.4) 28(-1.25,2.4)
  oval 0.5x1.5 all layers, no hole mask+0.102: 29(0,0)
  Multi-Layer region: -1.325,1.469 -1.325,-1.825 1.325,-1.825 1.325,1.825 -0.969,1.825
  silkscreen extent -3.23,-2.7 2.2,2.7, body extent -2,-2.5 2,2.5, height 0.75
R0402 [mil]
  rect 23.62x24 smd: 1(-20,0) 2(20,0)
  silkscreen extent -6,-14 6,14, body extent -20,-12 20,12, height 13
R0603 [mm]
  rect 0.8x0.9 smd: 1(-0.762,0) 2(0.762,0)
  silkscreen extent -0.23,-0.53 0.23,0.53, body extent -0.85,-0.4 0.85,0.4, height 0.56
R0805 [mm]
  rect 1.05x1.3 smd: 1(-1.15,0) 2(1.15,0)
  silkscreen extent -0.38,-0.64 0.38,0.64, body extent -1.15,-0.67 1.15,0.68, height 0.76
SIM-43MH+ [mm] "Frequency Mixer"
  rect 0.76x1.52 smd: 1(-1.905,-2.256) 1(-0.635,2.256) 1(0.635,-2.256) 1(0.635,2.256) 1(1.905,2.256) 2(-0.635,-2.256) 4(1.905,-2.256) 8(-1.905,2.256)
  Top RF region: -1.016,2.921 -0.254,2.921 -0.254,1.524 0.254,1.524 0.254,2.921 1.016,2.921 1.016,1.524 1.524,1.524 1.524,2.921 2.286,2.921 2.286,-0.889 1.016,-0.889 1.016,-2.921 0.254,-2.921 0.254,-0.889 -1.524,-0.889 -1.524,-2.921 -2.286,-2.921 -2.286,0.889 -1.016,0.889
  silkscreen extent -2.79,-3.88 2.79,2.5, body extent -2.54,-2.28 2.54,2.29, height 2.21
SOIC_SN8 [mm]
  oval 2x0.6 smd: 1(-2.921,1.905) 2(-2.921,0.635) 3(-2.921,-0.635) 4(-2.921,-1.905) 5(2.921,-1.905) 6(2.921,-0.635) 7(2.921,0.635) 8(2.921,1.905)
  silkscreen extent -3.72,-2.79 2.41,3.22, body extent -3.1,-2.5 3.1,2.5, height 1.75
SOT-23 [mm]
  rrect50% 0.8x1 smd: 1(0.95,1.1) 2(-0.95,1.1) 3(0,-1.1)
  silkscreen extent -1.78,-1.14 1.78,1.14, body extent -1.5,-1.25 1.5,1.25, height 1.09
TPS611781x [mm] "QFN, 24-Leads, Body 4,00x4,00mm, Pitch 0,50mm, PLASTIC SMALL OUTLINE - NO LEAD"
  rrect50% 0.8x0.25 smd: 1(-1.6,1) 2(-1.6,0.5) 3(-1.6,0) 4(-1.6,-0.5) 5(-1.6,-1) 9(1.6,-1) 10(1.6,-0.5) 11(1.6,0) 12(1.6,0.5) 13(1.6,1)
  rrect50% 0.25x3.4 smd: 6(-0.55,0) 7(0,0) 8(0.55,0)
  silkscreen extent -3.07,-1.8 2,1.97, body extent -1.74,-1.51 1.76,1.49, height 1.02
WSON-6 [mm] "PLASTIC SMALL OUTLINE - NO LEAD"
  rect 1x1.8 all layers, no hole mask+0.102: 0(0,0)
  rrect25% 0.45x0.3 smd: 1(-0.975,0.65) 2(-0.975,0) 3(-0.975,-0.65) 4(0.975,-0.65) 5(0.975,0) 6(0.975,0.65)
  silkscreen extent -2.03,-1.2 1.2,1.2, body extent -1.01,-1 1.01,1, height 0.8
WSON-8 [mm] "PLASTIC SMALL OUTLINE - NO LEAD"
  rect 0.9x1.8 all layers, no hole mask+0.102: 0(0,0)
  rrect25% 0.5x0.25 smd: 1(-0.95,0.75) 2(-0.95,0.25) 3(-0.95,-0.25) 4(-0.95,-0.75) 5(0.95,-0.75) 6(0.95,-0.25) 7(0.95,0.25) 8(0.95,0.75)
  silkscreen extent -2.03,-1.2 1.2,1.2, body extent -1,-1 1,1, height 0.79
XAL4020 [mm]
  rect 0.98x3.7 smd: 1(-1.185,0) 2(1.185,0)
  silkscreen extent -2.41,-2.41 2.41,2.41, body extent -2.15,-2.15 2.15,2.15, height 2.13
XAL4030 [mm]
  rect 0.98x3.7 smd: 1(-1.185,0) 2(1.185,0)
  silkscreen extent -2.41,-2.41 2.41,2.41, body extent -2.15,-2.15 2.15,2.15, height 3.13
XFL3012 [mm]
  rect 1x2.9 smd: 1(-1.015,0) 2(1.015,0)
  silkscreen extent -1.78,-1.78 1.78,1.78, body extent -1.6,-1.6 1.6,1.6, height 1.25